# KiCad board serial-usbc-dip-7seg-clk.kicad_pcb (continued)
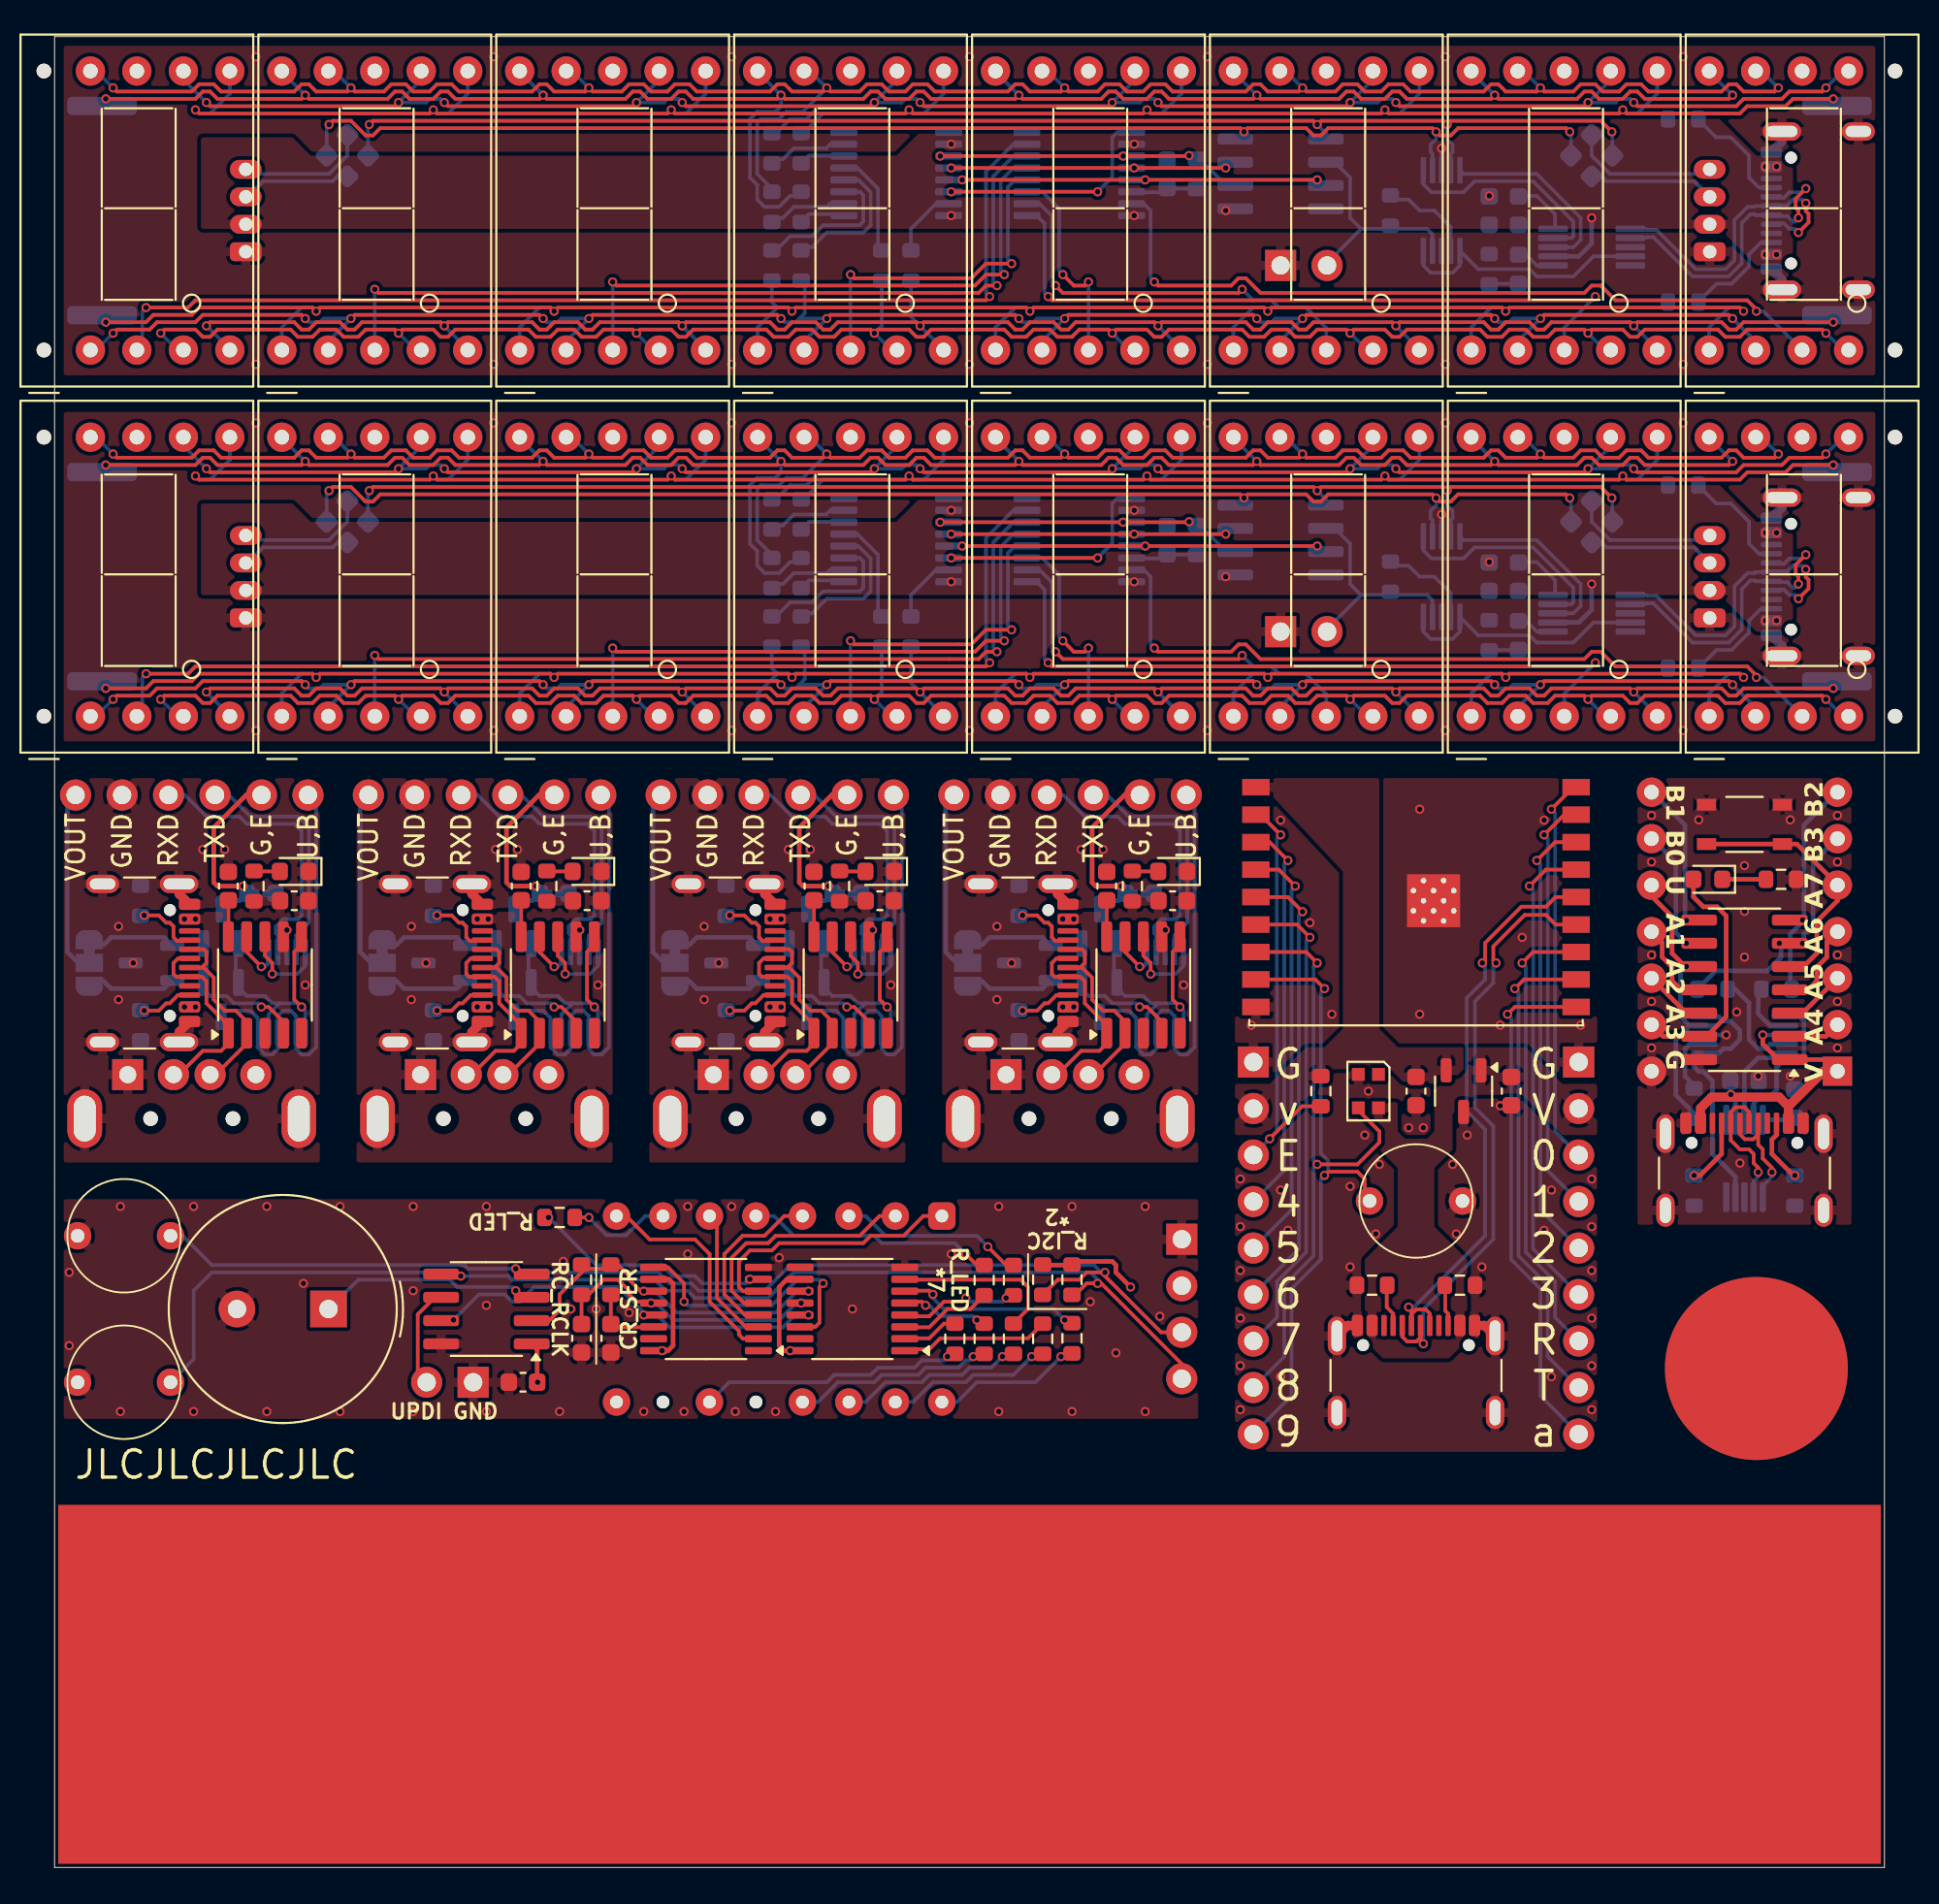
[diagram p0: board, top side]
## Routing (per net, layer and track width the routed paths; a pad name or vN(x,y) marks a point on that pad's centre or on a via; arc(x,y) is an arc through that point) (continued)
DTR#: length 33.4
  Top w0.2: U1#4.4 28.5,46.2 27.7,47 v1(27.3,47) ; v1(11.3,47) 11.7,47 12.5,46.2 U1#3.4 ; U1#7.4 60.5,46.2 59.7,47 v1(59.3,47) ; U1#6.4 44.5,46.2 43.7,47 v1(43.3,47)
  Bottom w0.2: v1(11.3,47) 11.1,47.2 9.8,47.2 9.4,47.6 8.5,47.6 8.15,47.95 Q2#3.1 8.31,48.5 8.31,50.3 Q1#3.2 ; Q1#4.2 40.31,50.3 40.31,48.5 Q2#4.1 40.15,47.95 40.5,47.6 41.4,47.6 41.8,47.2 43.1,47.2 v1(43.3,47) ; v1(27.3,47) 27.1,47.2 25.8,47.2 25.4,47.6 24.5,47.6 24.15,47.95 Q2.1 24.31,48.5 24.31,50.3 Q1.2 ; Q1#2.2 56.31,50.3 56.31,48.5 Q2#2.1 56.15,47.95 56.5,47.6 57.4,47.6 57.8,47.2 59.1,47.2 v1(59.3,47)
E: length 236.1
  Top w0.2: v1(2.8,64.4) 5,64.4 5.4,64.8 7.5,64.8 7.9,65.2 14.1,65.2 v1(14.3,65) 14.5,65.2 27.1,65.2 v1(27.3,65) 27.5,65.2 40.1,65.2 v1(40.3,65) 40.5,65.2 53.1,65.2 v1(53.3,65) 53.5,65.2 66.1,65.2 v1(66.3,65) 66.5,65.2 79.1,65.2 v1(79.3,65) 79.5,65.2 92.1,65.2 v1(92.3,65) ; v1(2.8,84.4) 5,84.4 5.4,84.8 7.5,84.8 7.9,85.2 14.1,85.2 v1(14.3,85) 14.5,85.2 27.1,85.2 v1(27.3,85) 27.5,85.2 40.1,85.2 v1(40.3,85) 40.5,85.2 53.1,85.2 v1(53.3,85) 53.5,85.2 66.1,85.2 v1(66.3,85) 66.5,85.2 79.1,85.2 v1(79.3,85) 79.5,85.2 92.1,85.2 v1(92.3,85)
  Bottom w0.2: U8#2.1 64.42,64.12 65.5,65.2 66.1,65.2 v1(66.3,65) ; 39.5,85.2 38.42,84.12 U6#2.1 ; 39.5,85.2 40.1,85.2 v1(40.3,85) ; 39.5,85.2 39.2,85.5 R5#4.2 ; U8.1 64.42,84.12 65.5,85.2 66.1,85.2 v1(66.3,85) ; U10#2.1 90.42,64.12 91.5,65.2 92.1,65.2 v1(92.3,65) ; v1(92.3,85) 92.1,85.2 91.5,85.2 90.42,84.12 U10.1 ; U5#2.1 25.42,64.12 26.5,65.2 27.1,65.2 v1(27.3,65) ; v1(14.3,85) 14.1,85.2 13.5,85.2 12.42,84.12 U4#2.1 ; 39.5,65.2 39.2,65.5 R5#3.2 ; 39.5,65.2 38.42,64.12 U6.1 ; 39.5,65.2 40.1,65.2 v1(40.3,65) ; U7.1 51.42,64.12 52.5,65.2 53.1,65.2 v1(53.3,65) ; v1(79.3,85) 79.1,85.2 78.5,85.2 77.42,84.12 U9.1 ; v1(14.3,65) 14.1,65.2 13.5,65.2 12.42,64.12 U4#3.1 ; v1(79.3,65) 79.1,65.2 78.5,65.2 77.42,64.12 U9#2.1 ; v1(53.3,85) 53.1,85.2 52.5,85.2 51.42,84.12 U7#2.1 ; U5.1 25.42,84.12 26.5,85.2 27.1,85.2 v1(27.3,85)
EN: length 23.6
  Top w0.2: v1(67,56.4) 65.9,57.5 U1#2.2 ; 69.4,41.58 68.17,41.58 v1(66.4,39.8)
  Bottom w0.2: v1(67,56.4) 66.8,56.2 66.8,40.2 J2#9.3
F: length 240.9
  Top w0.2: v1(94.2,77.2) 94,77 92.3,77 91.9,77.4 91.5,77.4 91.1,77 87.1,77 86.7,77.4 85.9,77.4 85.5,77 84.6,77 84.2,77.4 83.4,77.4 83,77 81.4,77 v1(81.2,77.2) 81,77 79.3,77 78.9,77.4 78.5,77.4 78.1,77 74.1,77 73.7,77.4 72.9,77.4 72.5,77 71.6,77 71.2,77.4 70.4,77.4 70,77 68.4,77 v1(68.2,77.2) 68,77 66.3,77 65.9,77.4 65.5,77.4 65.1,77 61.1,77 60.7,77.4 59.9,77.4 59.5,77 58.6,77 58.2,77.4 57.4,77.4 57,77 55.4,77 v1(55.2,77.2) 55,77 53.3,77 52.9,77.4 52.5,77.4 52.1,77 48.1,77 47.7,77.4 46.9,77.4 46.5,77 45.6,77 45.2,77.4 44.4,77.4 44,77 42.4,77 v1(42.2,77.2) 42,77 40.3,77 39.9,77.4 39.5,77.4 39.1,77 35.1,77 34.7,77.4 33.9,77.4 33.5,77 32.6,77 32.2,77.4 31.4,77.4 31,77 29.4,77 v1(29.2,77.2) 29,77 27.3,77 26.9,77.4 26.5,77.4 26.1,77 22.1,77 21.7,77.4 20.9,77.4 20.5,77 19.6,77 19.2,77.4 18.4,77.4 18,77 16.4,77 v1(16.2,77.2) 16,77 14.3,77 13.9,77.4 13.5,77.4 13.1,77 9.1,77 8.7,77.4 7.9,77.4 7.5,77 3.4,77 v1(3.2,77.2) ; v1(3.2,97.2) 3.4,97 7.5,97 7.9,97.4 8.7,97.4 9.1,97 13.1,97 13.5,97.4 13.9,97.4 14.3,97 16,97 v1(16.2,97.2) 16.4,97 18,97 18.4,97.4 19.2,97.4 19.6,97 20.5,97 20.9,97.4 21.7,97.4 22.1,97 26.1,97 26.5,97.4 26.9,97.4 27.3,97 29,97 v1(29.2,97.2) 29.4,97 31,97 31.4,97.4 32.2,97.4 32.6,97 33.5,97 33.9,97.4 34.7,97.4 35.1,97 39.1,97 39.5,97.4 39.9,97.4 40.3,97 42,97 v1(42.2,97.2) 42.4,97 44,97 44.4,97.4 45.2,97.4 45.6,97 46.5,97 46.9,97.4 47.7,97.4 48.1,97 52.1,97 52.5,97.4 52.9,97.4 53.3,97 55,97 v1(55.2,97.2) 55.4,97 57,97 57.4,97.4 58.2,97.4 58.6,97 59.5,97 59.9,97.4 60.7,97.4 61.1,97 65.1,97 65.5,97.4 65.9,97.4 66.3,97 68,97 v1(68.2,97.2) 68.4,97 70,97 70.4,97.4 71.2,97.4 71.6,97 72.5,97 72.9,97.4 73.7,97.4 74.1,97 78.1,97 78.5,97.4 78.9,97.4 79.3,97 81,97 v1(81.2,97.2) 81.4,97 83,97 83.4,97.4 84.2,97.4 84.6,97 85.5,97 85.9,97.4 86.7,97.4 87.1,97 91.1,97 91.5,97.4 91.9,97.4 92.3,97 94,97 v1(94.2,97.2)
  Bottom w0.2: U6.9 41.28,78.12 v1(42.2,77.2) 40.9,75.9 40,75.9 39.6,75.5 38.6,75.5 38.4,75.3 38.4,72.5 39.2,71.7 39.2,71.53 ; U8#2.9 67.28,78.12 v1(68.2,77.2) ; v1(94.2,77.2) 93.28,78.12 U10#2.9 ; U10.9 93.28,98.12 v1(94.2,97.2) ; v1(68.2,97.2) 67.28,98.12 U8.9 ; U4#2.9 15.28,98.12 v1(16.2,97.2) ; v1(81.2,97.2) 80.28,98.12 U9.9 ; U7.9 54.28,78.12 v1(55.2,77.2) ; R6#2.2 39.2,91.7 38.4,92.5 38.4,95.3 38.6,95.5 39.6,95.5 40,95.9 40.9,95.9 v1(42.2,97.2) 41.28,98.12 U6#2.9 ; U7#2.9 54.28,98.12 v1(55.2,97.2) ; v1(81.2,77.2) 80.28,78.12 U9#2.9 ; U3.9 2.28,98.12 v1(3.2,97.2) ; v1(3.2,77.2) 2.28,78.12 U3#3.9 ; v1(29.2,97.2) 28.28,98.12 U5.9 ; v1(16.2,77.2) 15.28,78.12 U4#3.9 ; U5#2.9 28.28,78.12 v1(29.2,77.2)
G: length 234.6
  Top w0.2: v1(2.8,96.6) 7.7,96.6 8.1,97 8.5,97 8.9,96.6 13.5,96.6 v1(13.7,96.8) 13.9,96.6 18.2,96.6 18.6,97 19,97 19.4,96.6 20.7,96.6 21.1,97 21.5,97 21.9,96.6 26.5,96.6 v1(26.7,96.8) 26.9,96.6 31.2,96.6 31.6,97 32,97 32.4,96.6 33.7,96.6 34.1,97 34.5,97 34.9,96.6 39.5,96.6 v1(39.7,96.8) 39.9,96.6 44.2,96.6 44.6,97 45,97 45.4,96.6 46.7,96.6 47.1,97 47.5,97 47.9,96.6 52.5,96.6 v1(52.7,96.8) 52.9,96.6 57.2,96.6 57.6,97 58,97 58.4,96.6 59.7,96.6 60.1,97 60.5,97 60.9,96.6 65.5,96.6 v1(65.7,96.8) 65.9,96.6 70.2,96.6 70.6,97 71,97 71.4,96.6 72.7,96.6 73.1,97 73.5,97 73.9,96.6 78.5,96.6 v1(78.7,96.8) 78.9,96.6 83.2,96.6 83.6,97 84,97 84.4,96.6 85.7,96.6 86.1,97 86.5,97 86.9,96.6 91.5,96.6 v1(91.7,96.8) ; v1(2.8,76.6) 7.7,76.6 8.1,77 8.5,77 8.9,76.6 13.5,76.6 v1(13.7,76.8) 13.9,76.6 18.2,76.6 18.6,77 19,77 19.4,76.6 20.7,76.6 21.1,77 21.5,77 21.9,76.6 26.5,76.6 v1(26.7,76.8) 26.9,76.6 31.2,76.6 31.6,77 32,77 32.4,76.6 33.7,76.6 34.1,77 34.5,77 34.9,76.6 39.5,76.6 v1(39.7,76.8) 39.9,76.6 44.2,76.6 44.6,77 45,77 45.4,76.6 46.7,76.6 47.1,77 47.5,77 47.9,76.6 52.5,76.6 v1(52.7,76.8) 52.9,76.6 57.2,76.6 57.6,77 58,77 58.4,76.6 59.7,76.6 60.1,77 60.5,77 60.9,76.6 65.5,76.6 v1(65.7,76.8) 65.9,76.6 70.2,76.6 70.6,77 71,77 71.4,76.6 72.7,76.6 73.1,77 73.5,77 73.9,76.6 78.5,76.6 v1(78.7,76.8) 78.9,76.6 83.2,76.6 83.6,77 84,77 84.4,76.6 85.7,76.6 86.1,77 86.5,77 86.9,76.6 91.5,76.6 v1(91.7,76.8)
  Bottom w0.2: v1(52.7,76.8) 51.42,78.08 U7.10 ; U8.10 64.42,98.08 v1(65.7,96.8) ; U10.10 90.42,98.08 v1(91.7,96.8) ; U5#2.10 25.42,78.08 v1(26.7,76.8) ; v1(78.7,96.8) 77.42,98.08 U9.10 ; 40.8,71.53 40.58,71.3 40.2,71.3 39.6,70.7 38.8,70.7 38.4,71.1 38.4,71.9 38,72.3 38,75.5 38.4,75.9 39.4,75.9 39.7,76.2 v1(39.7,76.8) 38.42,78.08 U6.10 ; v1(91.7,76.8) 90.42,78.08 U10#2.10 ; U7#2.10 51.42,98.08 v1(52.7,96.8) ; v1(13.7,76.8) 12.42,78.08 U4#3.10 ; v1(26.7,96.8) 25.42,98.08 U5.10 ; U9#2.10 77.42,78.08 v1(78.7,76.8) ; U6#2.10 38.42,98.08 v1(39.7,96.8) 39.7,96.2 39.4,95.9 38.4,95.9 38,95.5 38,92.3 38.4,91.9 38.4,91.1 38.8,90.7 39.6,90.7 40.2,91.3 40.58,91.3 R7#3.2 ; v1(13.7,96.8) 12.42,98.08 U4#2.10 ; v1(65.7,76.8) 64.42,78.08 U8#2.10
H: length 219.8
  Top w0.2: v1(97.2,84.4) 92.3,84.4 91.9,84 91.5,84 91.1,84.4 86.5,84.4 v1(86.3,84.2) 86.1,84.4 81.8,84.4 81.4,84 81,84 80.6,84.4 79.3,84.4 78.9,84 78.5,84 78.1,84.4 73.5,84.4 v1(73.3,84.2) 73.1,84.4 68.8,84.4 68.4,84 68,84 67.6,84.4 66.3,84.4 65.9,84 65.5,84 65.1,84.4 60.5,84.4 v1(60.3,84.2) 60.1,84.4 55.8,84.4 55.4,84 55,84 54.6,84.4 53.3,84.4 52.9,84 52.5,84 52.1,84.4 47.5,84.4 v1(47.3,84.2) 47.1,84.4 42.8,84.4 42.4,84 42,84 41.6,84.4 40.3,84.4 39.9,84 39.5,84 39.1,84.4 34.5,84.4 v1(34.3,84.2) 34.1,84.4 29.8,84.4 29.4,84 29,84 28.6,84.4 27.3,84.4 26.9,84 26.5,84 26.1,84.4 21.5,84.4 v1(21.3,84.2) 21.1,84.4 16.8,84.4 16.4,84 16,84 15.6,84.4 14.3,84.4 13.9,84 13.5,84 13.1,84.4 8.5,84.4 v1(8.3,84.2) ; v1(8.3,64.2) 8.5,64.4 13.1,64.4 13.5,64 13.9,64 14.3,64.4 15.6,64.4 16,64 16.4,64 16.8,64.4 21.1,64.4 v1(21.3,64.2) 21.5,64.4 26.1,64.4 26.5,64 26.9,64 27.3,64.4 28.6,64.4 29,64 29.4,64 29.8,64.4 34.1,64.4 v1(34.3,64.2) 34.5,64.4 39.1,64.4 39.5,64 39.9,64 40.3,64.4 41.6,64.4 42,64 42.4,64 42.8,64.4 47.1,64.4 v1(47.3,64.2) 47.5,64.4 52.1,64.4 52.5,64 52.9,64 53.3,64.4 54.6,64.4 55,64 55.4,64 55.8,64.4 60.1,64.4 v1(60.3,64.2) 60.5,64.4 65.1,64.4 65.5,64 65.9,64 66.3,64.4 67.6,64.4 68,64 68.4,64 68.8,64.4 73.1,64.4 v1(73.3,64.2) 73.5,64.4 78.1,64.4 78.5,64 78.9,64 79.3,64.4 80.6,64.4 81,64 81.4,64 81.8,64.4 86.1,64.4 v1(86.3,64.2) 86.5,64.4 91.1,64.4 91.5,64 91.9,64 92.3,64.4 v1(97.2,64.4)
  Bottom w0.2: v1(8.3,64.2) 9.58,62.92 U3#3.5 ; U9#2.5 87.58,62.92 v1(86.3,64.2) ; v1(60.3,84.2) 61.58,82.92 U7#2.5 ; U3.5 9.58,82.92 v1(8.3,84.2) ; U6.5 48.58,62.92 v1(47.3,64.2) 46.8,64.7 R8#2.2 ; v1(21.3,64.2) 22.58,62.92 U4#3.5 ; v1(60.3,64.2) 61.58,62.92 U7.5 ; v1(34.3,84.2) 35.58,82.92 U5.5 ; U9.5 87.58,82.92 v1(86.3,84.2) ; R8#3.2 46.8,84.7 v1(47.3,84.2) 48.58,82.92 U6#2.5 ; U4#2.5 22.58,82.92 v1(21.3,84.2) ; U8.5 74.58,82.92 v1(73.3,84.2) ; U5#2.5 35.58,62.92 v1(34.3,64.2) ; U8#2.5 74.58,62.92 v1(73.3,64.2)
IO0: length 21.4
  Top w0.2: U1#2.18 83,59 v1(81.8,57.8)
  Bottom w0.2: v1(81.8,57.8) 82,57.6 82,40.2 J3#6.3
IO1: length 23
  Top w0.2: v1(81.4,56.4) 82.5,57.5 U1#2.17
  Bottom w0.2: v1(81.4,56.4) 81.6,56.2 81.6,38.06 J3#6.4
IO2: length 24.7
  Top w0.2: U1#2.16 82,56 v1(81,55)
  Bottom w0.2: J3#6.5 81.2,35.92 81.2,54.8 v1(81,55)
IO3: length 26.3
  Top w0.2: v1(80.6,53.6) 81.5,54.5 U1#2.15
  Bottom w0.2: J3#6.6 80.8,33.78 80.8,53.4 v1(80.6,53.6)
IO4: length 21.6
  Top w0.2: v1(67.4,55) 66.4,56 U1#2.3
  Bottom w0.2: v1(67.4,55) 67.2,54.8 67.2,38.06 J2#9.4
IO5: length 23.2
  Top w0.2: U1#2.4 66.9,54.5 v1(67.8,53.6)
  Bottom w0.2: J2#9.5 67.6,35.92 67.6,53.4 v1(67.8,53.6)
IO6: length 24.9
  Top w0.2: v1(68.2,52.2) 67.4,53 U1#2.5
  Bottom w0.2: v1(68.2,52.2) 68,52 68,33.78 J2#9.6
IO7: length 26.6
  Top w0.2: v1(68.6,50.8) 67.9,51.5 U1#2.6
  Bottom w0.2: v1(68.6,50.8) 68.4,50.6 68.4,33.6 66.8,32 66.8,30.04 J2#9.7
IO8: length 34.7
  Top w0.2: D1.3 71.25,41.35 72.4,40.2 72.4,39.6 71.2,38.4 v1(69,38.4) ; v1(69,49.4) 68.4,50 U1#2.7
  Bottom w0.2: v1(69,49.4) 68.8,49.2 68.8,38.6 v1(69,38.4) 68.8,38.2 68.8,33.4 67.2,31.8 67.2,27.9 J2#9.8
IO9: length 34
  Top w0.2: v1(69.4,37.8) 69.6,38 71.2,38 71.6,37.6 71.6,36.8 71.86,36.54 SW1.1 ; U1#2.8 68.9,48.5 v1(69.4,48)
  Bottom w0.2: J2#9.9 67.6,25.76 67.6,31.6 69.2,33.2 69.2,37.6 69.6,38 69.6,38.6 69.2,39 69.2,47.8 v1(69.4,48)
IO10: length 28.5
  Top w0.2: v1(79.4,46.6) 79.8,47 U1#2.10
  Bottom w0.2: v1(79.4,46.6) 79.6,46.4 79.6,33.2 81.2,31.6 81.2,25.76 J3#6.9
OE#: length 62.2
  Top w0.2: v1(32.2,30.17) U3#2.13 ; v1(49.6,92.17) v1(59.6,92.17) v1(69,92.17) ; v1(49.6,72.17) v1(59.6,72.17) v1(69,72.17) ; v1(21.8,29.9) 21.77,29.86 U4.7 ; v1(41.2,30.17) U2#2.13
  Bottom w0.2: v1(21.8,29.9) 23.2,31.3 24.6,31.3 25,30.9 25.4,30.9 26.2,31.7 30.8,31.7 32.2,30.3 v1(32.2,30.17) 32.92,30.17 33.6,29.5 39.8,29.5 40.48,30.17 v1(41.2,30.17)
PA1: length 68.5
  Top w0.2: v1(25.2,32.7) 25.49,32.41 26.1,32.41 ; 54,31.28 54.83,32.1 56,32.1 56.4,32.5 v1(57.4,32.5) 57.4,32.3 60.47,29.23 J2#6.3
  Top w0.25: U1.11 88.89,47.94 88.39,48.42 88.39,49.17 87.85,49.72 87.85,50.53 J2#2.11
  Bottom w0.2: SW1#3.1 7,34.5 8.6,32.9 22.4,32.9 22.6,32.7 v1(25.2,32.7) 25.4,32.5 33,32.5 33.6,31.9 34.8,31.9 35.2,31.5 38.8,31.5 40.2,32.9 56.8,32.9 57.2,32.5 v1(57.4,32.5)
PA2: length 69.1
  Top w0.2: J2#6.4 61.6,27.5 57.2,31.9 v1(57,31.9) 56.4,31.9 55.8,31.3 55.62,31.3 55.6,31.28
  Top w0.25: J2#2.12 89.17,46.67 U1.12
  Bottom w0.2: SW2.1 7.6,27.76 7.6,31.5 8.6,32.5 22,32.5 v1(22.2,32.3) 24.8,32.3 25,32.1 32.8,32.1 33.4,31.5 34.6,31.5 35,31.1 39,31.1 40.4,32.5 56.6,32.5 57,32.1 v1(57,31.9)
PA3: length 13.5
  Top w0.25: J2#2.13 87.91,45.39 U1.13 90.28,45.39 91.35,46.47 91.35,51.97 90.85,52.47 90.1,52.47 89.56,53.01 D1#4.2
PA4: length 2.9
  Top w0.25: U1.2 96.8,45.39 J2#2.2
PA5: length 3.4
  Top w0.25: 97.43,48.6 J2#2.3 95.53,46.67 U1.3
PA6: length 4.9
  Top w0.25: U1.4 95.81,47.94 96.31,48.42 96.31,49.17 96.85,49.72 96.85,50.56 97.43,51.14
PA7: length 14.1
  Top w0.25: U1.5 95.58,49.2 96.31,49.93 96.31,51.67 97.43,52.8 J2#2.5 97.43,53.68 95.22,55.89 SW1#2.2 90.28,55.89
PB0: length 6.5
  Bottom w0.25: v1(89.17,50.47) 88.6,51.05 88.6,54.89 87.27,56.22
PB1: length 7.8
  Bottom w0.25: v1(89.17,51.72) 89.1,51.8 89.1,56.93 87.27,58.76
PB2: length 11.9
  Bottom w0.25: 97.43,58.76 95.6,56.93 95.6,51.82 v1(95.53,51.75) 95.53,51.64 94.85,50.97 94.85,48.05 R4#2.2
PB3: length 12.6
  Bottom w0.25: v1(94.25,50.47) 94.35,50.38 94.35,49.72 93.6,48.97 90.78,48.97 89.78,47.97 ; 97.43,56.22 96.1,54.89 96.1,51.47 95.6,50.97 95.6,50.55 v1(95.53,50.47)
RCLK: length 45.7
  Top w0.2: v1(32.6,30.83) U3#2.12 32.66,30.9 31.8,30.9 31.4,31.3 31.4,31.5 30.8,32.1 30,32.1 29.17,31.28 28.8,31.28 C1.1 ; v1(64,72.83) v1(59,72.83) v1(49,72.83) ; v1(64,92.83) v1(59,92.83) v1(49,92.83) ; v1(40.8,30.83) U2#2.12
  Bottom w0.2: v1(32.6,30.83) 32.88,30.83 33.8,29.9 39.6,29.9 40.52,30.83 v1(40.8,30.83)
RTS#: length 98.8
  Top w0.2: v1(29.5,47) 29.1,47.4 29.1,50 29.5,50.4 U1#4.6 ; v1(13.5,47) 13.1,47.4 13.1,50 13.5,50.4 U1#3.6 ; U1#6.6 45.5,50.4 45.1,50 45.1,47.4 v1(45.5,47) ; U1#7.6 61.5,50.4 61.1,50 61.1,47.4 v1(61.5,47)
  Bottom w0.2: Q1#2.1 57.9,50.31 57.9,48.49 Q2#2.2 58.05,48.05 58.5,47.6 59.5,47.6 59.9,47.2 60.3,47.2 ; Q1#3.1 9.9,50.31 9.9,48.49 Q2#3.2 10.05,48.05 10.5,47.6 11.5,47.6 11.9,47.2 12.3,47.2 ; U2#7.5 27.7,46.6 28.3,47.2 ; U2#6.1 13.7,46.8 v1(13.5,47) 13.5,47.01 13.31,47.2 12.3,47.2 ; Q1#4.1 41.9,50.31 41.9,48.49 Q2#4.2 42.05,48.05 42.5,47.6 43.5,47.6 43.9,47.2 44.3,47.2 ; 44.3,47.2 45.31,47.2 45.5,47.01 v1(45.5,47) 45.7,46.8 U2#8.1 ; 44.3,47.2 43.7,46.6 U2#8.5 ; 12.3,47.2 11.7,46.6 U2#6.5 ; 60.3,47.2 61.31,47.2 61.5,47.01 v1(61.5,47) 61.7,46.8 U2#3.1 ; 60.3,47.2 59.7,46.6 U2#3.5 ; 28.3,47.2 27.9,47.2 27.5,47.6 26.5,47.6 26.05,48.05 Q2.2 25.9,48.49 25.9,50.31 Q1.1 ; 28.3,47.2 29.31,47.2 29.5,47.01 v1(29.5,47) 29.7,46.8 U2#7.1 ; U12#2.4 84.1,88 83,86.9 81,86.9 80.6,87.3 77.8,87.3 U13.1 76.8,87.5 76.4,87.1 75.2,87.1 74.8,87.5 U13.5 ; U13#2.5 74.8,67.5 75.2,67.1 76.4,67.1 76.8,67.5 U13#2.1 77.8,67.3 80.6,67.3 81,66.9 83,66.9 84.1,68 U12.4
  Bottom w0.25: U3#6.5 90.94,46.47 91.19,46.22 91.6,46.22 92.1,45.72 92.1,45.22 91.6,44.72 91.19,44.72 90.94,44.47 U3#6.1 89.6,44.47 89.6,43.72 89.85,43.47 90.1,43.47 90.6,42.97 90.6,38.97 91.85,37.72 U2#4.4
RXD: length 98.5
  Top w0.2: U1#2.11 80.3,48.5 v1(79.8,48)
  Bottom w0.2: J3.4 39.12,58.58 40.3,57.4 42.1,57.4 42.5,57 45.1,57 45.5,56.6 45.5,52 45.3,51.8 44.5,51.8 44.1,51.4 44.1,51.02 44.2,50.92 U2#8.7 ; J3#6.8 81.6,27.9 81.6,31.8 80,33.4 80,47.8 v1(79.8,48) ; U2#3.7 60.2,50.92 60.1,51.02 60.1,51.4 60.5,51.8 61.3,51.8 61.5,52 61.5,56.6 61.1,57 58.5,57 58.1,57.4 56.3,57.4 55.12,58.58 J3#3.4 ; J3#4.4 23.12,58.58 24.3,57.4 26.1,57.4 26.5,57 29.1,57 29.5,56.6 29.5,52 29.3,51.8 28.5,51.8 28.1,51.4 28.1,51.02 28.2,50.92 U2#7.7 ; J3#2.4 7.12,58.58 8.3,57.4 10.1,57.4 10.5,57 13.1,57 13.5,56.6 13.5,52 13.3,51.8 12.5,51.8 12.1,51.4 12.1,51.02 12.2,50.92 U2#6.7
  Bottom w0.25: U2#4.9 92.85,41.73 93.09,41.97 93.6,41.97 94.1,42.47 94.1,43.72 94.35,43.97 95.35,43.97 95.6,44.22 95.6,46.22 95.35,46.47 U3#6.6
RXD_DISP|SCL: length 150.6
  Top w0.2: v1(85.1,94.8) 84.5,95.4 76.3,95.4 v1(76.1,95.2) 75.9,95.4 69.2,95.4 v1(69,95.2) 68.8,95.4 17.4,95.4 v1(17.2,95.2) ; v1(85.1,74.8) 84.5,75.4 76.3,75.4 v1(76.1,75.2) 75.9,75.4 69.2,75.4 v1(69,75.2) 68.8,75.4 17.4,75.4 v1(17.2,75.2)
  Bottom w0.2: v1(17.2,95.2) 17.13,95.13 JP2.4 ; v1(85.1,74.8) 85.11,74.8 85.13,74.77 JP1.4 ; U13.9 76.3,93.6 76.4,93.7 76.4,94.1 76.1,94.4 v1(76.1,95.2) ; U11#2.5 69.5,94.43 69.5,94.7 v1(69,95.2) ; U13#2.9 76.3,73.6 76.4,73.7 76.4,74.1 76.1,74.4 v1(76.1,75.2) ; U11.5 69.5,74.43 69.5,74.7 v1(69,75.2) ; JP1#2.4 85.13,94.77 85.11,94.8 v1(85.1,94.8) ; v1(17.2,75.2) 17.13,75.13 JP2#2.4
RXD_USB: length 24.5
  Bottom w0.2: U13#2.6 74.8,71.94 75.24,71.5 77,71.5 77.6,72.1 80.8,72.1 83,69.9 83,69.1 82.9,69 U12.9 ; U12#2.9 82.9,89 83,89.1 83,89.9 80.8,92.1 77.6,92.1 77,91.5 75.24,91.5 74.8,91.94 U13.6
SEG1: length 10.1
  Top w0.2: v1(51.8,27.9) 52.1,27.9 52.25,28.05 R1#3.2
  Bottom w0.2: U1#5.14 44.32,25.42 45.4,26.5 47.4,26.5 47.8,26.9 49.6,26.9 50,27.3 51.2,27.3 v1(51.8,27.9)
SEG2: length 8.2
  Top w0.2: R2#2.2 55.17,28.08 v1(55,27.9)
  Bottom w0.2: U1#5.16 49.32,25.42 50.4,26.5 53.6,26.5 v1(55,27.9)
SEG3: length 11
  Top w0.2: v1(50.2,27.9) 50.4,27.9 50.55,28.05 R3#5.2
  Bottom w0.2: v1(50.2,27.9) 50,27.7 49.8,27.7 49.4,27.3 47.6,27.3 47.2,26.9 45.2,26.9 44.8,26.5 42.8,26.5 41.72,25.42 U1#5.13
SEG4: length 10.1
  Top w0.2: v1(51,33.9) 52,32.9 R4.2
  Bottom w0.2: U1#5.3 44.32,35.58 45.4,34.5 50.4,34.5 v1(51,33.9)
SEG5: length 13.6
  Top w0.2: R5.2 50.4,32.9 v1(49.8,33.5)
  Bottom w0.2: v1(49.8,33.5) 49.2,34.1 48.8,34.1 45.2,34.1 44.8,34.5 40.4,34.5 39.32,35.58 U1#5.5
SEG6: length 14.5
  Top w0.2: v1(48.8,27.9) 48.9,27.9 49.05,28.05 R6.2
  Bottom w0.2: v1(48.8,27.9) 48.6,27.7 47.4,27.7 47,27.3 45,27.3 44.6,26.9 42.6,26.9 42.2,26.5 36.87,26.5 U1#5.11
SEG7: length 9.1
  Top w0.2: v1(53.4,27.9) 53.6,27.9 53.75,28.05 R7.2
  Bottom w0.2: v1(53.4,27.9) 52.4,26.9 50.2,26.9 49.8,26.5 48,26.5 46.92,25.42 U1#5.15
SEG8: length 5.7
  Top w0.2: 28.42,35.5 v1(29.2,35.5)
  Bottom w0.2: U1#5.7 32.28,35.58 31.23,34.53 30.17,34.53 v1(29.2,35.5)
SEGC1: length 14.7
  Top w0.2: U3#2.6 37.62,31.47 37.4,31.7 37.4,33.1 38,33.7 39.2,33.7 39.6,34.1 44.2,34.1 44.6,34.5 46.4,34.5 47.48,35.58 U1#5.1
SEGC2: length 13.4
  Top w0.2: U1#5.2 45.08,35.58 44,34.5 39.4,34.5 39,34.1 37.8,34.1 37,33.3 37,31.5 37.67,30.83 U3#2.5
SEGC3: length 7.6
  Top w0.2: U1#5.6 36.2,35.17 36.2,31.1 37.77,29.53 U3#2.3
SEGC4: length 12.2
  Top w0.2: U3#2.2 37.62,28.88 37.4,29.1 37.4,29.3 35.8,30.9 35.8,33.5 35,34.3 32.52,34.3 31.24,35.58 U1#5.8
SEGC:: length 9.7
  Top w0.2: U1#5.4 39.88,35.58 38.8,34.5 37.6,34.5 36.6,33.5 36.6,31.3 37.73,30.17 U3#2.4
SER: length 11.3
  Top w0.2: U3#2.14 32.71,29.5 30.58,29.5 C2.1 30.4,31.28
  Bottom w0.2: U1#8.14 58.89,71.5 60.58,71.5 C1#9.1 60.83,71.7 62.38,71.7 R9#2.1 ; U1#9.14 58.89,91.5 60.58,91.5 C1#8.1 60.83,91.7 62.38,91.7 R9#3.1
SPK: length 11.1
  Bottom w0.2: v1(25.2,31.5) 25,31.7 22,31.7 21.6,32.1 16.6,32.1 15,30.5 BZ1.1
SRCLK: length 53.3
  Top w0.2: 30.51,32.92 R10.1 ; R10.1 30.17,32.7 29.02,32.7 R9.1 28.8,32.5 27.6,31.3 27.6,30.44 27.03,29.86 U4.2 ; R10.1 30.77,32.92 31.4,32.3 31.4,32.1 32.02,31.47 U3#2.11 v1(32.2,31.47) ; v1(48.4,93.47) v1(58.4,93.47) 61.97,93.47 v1(62,93.5) ; v1(48.4,73.47) v1(58.4,73.47) 61.97,73.47 v1(62,73.5) ; v1(41.2,31.47) U2#2.11
  Bottom w0.2: v1(41.2,31.47) 40.58,31.47 39.4,30.3 34,30.3 32.83,31.47 v1(32.2,31.47) ; U11.2 64.03,71.87 62.58,73.33 R9#2.2 ; U11#2.2 64.03,91.86 62.58,93.33 R9#3.2
TXD: length 82.2
  Top w0.2: U1#2.12 80.8,50 v1(80.2,49.4)
  Bottom w0.2: U2#7.9 29.2,50.9 29.9,51.6 29.9,56.8 29.3,57.4 26.7,57.4 25.52,58.58 J3#4.3 ; J3#2.3 9.52,58.58 10.7,57.4 13.3,57.4 13.9,56.8 13.9,51.6 13.2,50.9 U2#6.9 ; J3#3.3 57.53,58.58 58.7,57.4 61.3,57.4 61.9,56.8 61.9,51.6 61.2,50.9 U2#3.9 ; U2#8.9 45.2,50.9 45.9,51.6 45.9,56.8 45.3,57.4 42.7,57.4 41.52,58.58 J3.3 ; J3#6.7 82,30.04 82,32 80.4,33.6 80.4,49.2 v1(80.2,49.4)
  Bottom w0.25: U2#4.8 92.35,43.47 93.1,44.22 93.85,44.22 94.1,44.47 U3#6.10
TXD_DISP|SDA: length 150.6
  Top w0.2: v1(82.8,94.8) 82.6,95 76.7,95 76.3,94.6 75.7,94.6 v1(75.5,94.8) 75.3,95 69.6,95 69.2,94.6 68.8,94.6 68.4,95 65.2,95 v1(65,94.8) 64.8,95 17.8,95 17.4,94.6 17,94.6 16.2,95.4 15.2,95.4 v1(15,95.2) ; v1(15,75.2) 15.2,75.4 16.2,75.4 17,74.6 17.4,74.6 17.8,75 64.8,75 v1(65,74.8) 65.2,75 68.4,75 68.8,74.6 69.2,74.6 69.6,75 75.3,75 v1(75.5,74.8) 75.7,74.6 76.3,74.6 76.7,75 82.6,75 v1(82.8,74.8)
  Bottom w0.2: JP1.2 82.87,74.73 v1(82.8,74.8) ; v1(15,95.2) 14.87,95.07 JP2.2 ; v1(75.5,94.8) 75.5,94.4 75.2,94.1 75.2,93.7 75.3,93.6 U13.7 ; JP1#2.2 82.87,94.73 v1(82.8,94.8) ; U11#2.4 64.61,94.41 v1(65,94.8) ; JP2#2.2 14.87,75.07 v1(15,75.2) ; v1(65,74.8) 64.61,74.41 U11.4 ; v1(75.5,74.8) 75.5,74.4 75.2,74.1 75.2,73.7 75.3,73.6 U13#2.7
TXD_USB: length 21.1
  Bottom w0.2: U12.8 83,68.5 83.4,68.9 83.4,70.1 81,72.5 77,72.5 U13#2.10 ; U13.10 77,92.5 81,92.5 83.4,90.1 83.4,88.9 83,88.5 U12#2.8
UPDI: length 47.6
  Top w0.2: J1#7.2 19.85,26.99 19.85,30.21 20.78,31.14 U4.6
  Top w0.25: J2#2.10 87.27,53.05 88.39,51.92 88.39,49.92 89.11,49.2 U1.10
  Bottom w0.2: 71.4,89.5 72.83,89.5 R13.2 73.17,89.5 75,89.5 75.3,89.2 U13.4 ; 71.4,89.5 70.8,90.1 70.8,92.3 69.97,93.14 U11#2.6 ; 71.4,89.5 69.54,87.64 J1#8.2 ; 71.4,69.5 70.8,70.1 70.8,72.3 69.97,73.13 U11.6 ; 71.4,69.5 69.54,67.64 J1#9.2 ; 71.4,69.5 72.83,69.5 R13#2.2 73.17,69.5 75,69.5 75.3,69.2 U13#2.4
  Bottom w0.25: v1(89.17,49.2) 88.85,48.88 88.85,46.48 89.33,46 90.12,46 U3#6.4 90.12,45.94 89.33,45.94 88.6,45.21 88.6,42.18 89.6,41.18 R2#3.2
UPDI|BOOT: length 102
  Bottom w0.2: Q2#2.3 57.44,46.8 58.7,46.8 59.1,46.4 59.1,44.8 59.5,44.4 59.9,44.4 60.2,44.7 U2#3.4 60.2,46.5 60.5,46.8 60.9,46.8 61.2,46.5 U2#3.2 61.2,44.7 61.5,44.4 61.9,44.4 62.3,44.8 62.3,58.12 J3#3.1 ; J3.1 46.3,58.12 46.3,44.8 45.9,44.4 45.5,44.4 45.2,44.7 U2#8.2 45.2,46.5 44.9,46.8 44.5,46.8 44.2,46.5 U2#8.4 44.2,44.7 43.9,44.4 43.5,44.4 43.1,44.8 43.1,46.4 42.7,46.8 41.44,46.8 Q2#4.3 ; J3#4.1 30.3,58.12 30.3,44.8 29.9,44.4 29.5,44.4 29.2,44.7 U2#7.2 29.2,46.5 28.9,46.8 28.5,46.8 28.2,46.5 U2#7.4 28.2,44.7 27.9,44.4 27.5,44.4 27.1,44.8 27.1,46.4 26.7,46.8 25.44,46.8 Q2.3 ; Q2#3.3 9.44,46.8 10.7,46.8 11.1,46.4 11.1,44.8 11.5,44.4 11.9,44.4 12.2,44.7 U2#6.4 12.2,46.5 12.5,46.8 12.9,46.8 13.2,46.5 U2#6.2 13.2,44.7 13.5,44.4 13.9,44.4 14.3,44.8 14.3,58.12 J3#2.1
VOUT: length 40.8
  Bottom w0.25: J3#3.6 48.7,58.12 48.7,50 49.3,49.4 JP3#3.2 ; J3.6 32.7,58.12 32.7,50 33.3,49.4 JP3#4.2 ; JP3.2 17.3,49.4 16.7,50 16.7,58.12 J3#4.6 ; JP3#2.2 1.3,49.4 0.7,50 0.7,58.12 J3#2.6
VREG: length 20.1
  Bottom w0.25: JP3#4.3 34.2,48.4 34.7,48.4 35.1,48 37.99,48 U3#8.2 ; JP3.3 18.2,48.4 18.7,48.4 19.1,48 21.99,48 U3#4.2 ; JP3#3.3 50.2,48.4 50.7,48.4 51.1,48 53.99,48 U3#5.2 ; JP3#2.3 2.2,48.4 2.7,48.4 3.1,48 5.99,48 U3#7.2
Net-(D1-A): length 5.7
  Top w0.2: D1#2.2 10.93,54.4 R3#3.2 ; R3#6.2 26.92,54.4 D1#3.2 ; D1#6.2 58.92,54.4 R3#2.2 ; R3.2 42.92,54.4 D1#5.2
Net-(D1-K): length 2.4
  Top w0.25: D1#4.1 R1.1
Net-(D3-K): length 3.2
  Bottom w0.2: D3.1 79.99,86.5 78.42,86.5 78.4,86.47 ; D3#2.1 79.99,66.5 78.42,66.5 78.4,66.47
Net-(J1-CC1): length 6
  Top w0.2: R2.1 72.8,31.78 72.8,30.6 73.15,30.25 J1#6.A5
  Top w0.25: v1(89.6,37.8) 89.92,37.8 91.1,38.97 J1#2.A5
Net-(J1-CC2): length 5.8
  Top w0.2: R3#4.1 76,31.78 76,30.4 76.15,30.25 J1#6.B5
  Top w0.25: v1(95.1,37.8) 95.03,37.8 93.85,38.97 93.85,39.76 94.1,40.01 J1#2.B5
Net-(J2-CC1): length 13.7
  Top w0.2: J2#3.A5 55.33,50.6 54.7,50.6 54.5,50.8 54.5,51.4 54.3,51.6 54.1,51.6 53.7,52 v1(52.9,52) ; v1(20.9,52) 21.7,52 22.1,51.6 22.3,51.6 22.5,51.4 22.5,50.8 22.7,50.6 23.33,50.6 J2#5.A5 ; J2#4.A5 39.33,50.6 38.7,50.6 38.5,50.8 38.5,51.4 38.3,51.6 38.1,51.6 37.7,52 v1(36.9,52) ; J2.A5 7.33,50.6 6.7,50.6 6.5,50.8 6.5,51.4 6.3,51.6 6.1,51.6 5.7,52 v1(4.9,52)
Net-(J2-CC2): length 11.3
  Top w0.2: v1(4.9,46.8) 5.7,46.8 6.1,47.2 6.3,47.2 6.75,47.65 J2.B5 ; v1(36.9,46.8) 37.7,46.8 38.1,47.2 38.3,47.2 38.75,47.65 J2#4.B5 ; J2#5.B5 22.75,47.65 22.3,47.2 22.1,47.2 21.7,46.8 v1(20.9,46.8) ; v1(52.9,46.8) 53.7,46.8 54.1,47.2 54.3,47.2 54.75,47.65 J2#3.B5
Net-(J2-Pin_3): length 13.8
  Bottom w0.2: J2#7.3 89.6,72.1 84.8,72.1 84.53,72.37 JP1.1 ; J2#8.3 89.6,92.1 84.8,92.1 84.53,92.37 JP1#2.1
Net-(J2-Pin_4): length 16.2
  Bottom w0.2: JP1#2.3 84,93.5 85,92.5 90.2,92.5 J2#8.4 ; JP1.3 84,73.5 85,72.5 90.2,72.5 J2#7.4
Net-(J3-Pin_3): length 12
  Bottom w0.2: JP2#2.1 15.47,72.37 15.2,72.1 11.4,72.1 10.55,71.25 J3#5.3 ; JP2.1 15.47,92.37 15.2,92.1 11.4,92.1 10.55,91.25 J3#7.3
Net-(J3-Pin_4): length 14.4
  Bottom w0.2: JP2.3 16,93.5 15,92.5 10.7,92.5 J3#7.4 ; JP2#2.3 16,73.5 15,72.5 10.7,72.5 J3#5.4
Net-(J4-CC1): length 12.5
  Bottom w0.2: J4#2.A5 93.15,71.75 92.6,72.3 92.6,73.5 91.6,74.5 90.8,74.5 89.83,75.47 R10#3.1 ; J4.A5 93.15,91.75 92.6,92.3 92.6,93.5 91.6,94.5 90.8,94.5 89.83,95.47 R10#2.1
Net-(J4-CC2): length 11.4
  Bottom w0.2: R11#2.1 90.83,86.5 91.65,86.5 92.6,87.45 92.6,88.1 93.25,88.75 J4.B5 ; R11#3.1 90.83,66.5 91.65,66.5 92.6,67.45 92.6,68.1 93.25,68.75 J4#2.B5
Net-(R2-Pad1): length 3.5
  Bottom w0.25: U3#6.2 89.36,44.97 89.1,44.71 89.1,43.22 89.6,42.72 R2#3.1
Net-(R3-Pad1): length 5.7
  Bottom w0.25: U3#6.9 93.76,44.97 93.51,44.72 93.1,44.72 92.6,45.22 92.6,47.22 91.85,47.97 R3#7.1
Net-(R4-Pad1): length 3.1
  Bottom w0.25: 93.28,47.97 93.1,47.8 93.1,46.63 93.76,45.97 U3#6.7
Net-(R13-Pad1): length 10.6
  Bottom w0.2: U13#2.2 76.3,69.6 75.4,70.5 74.6,70.5 74,71.1 73.22,71.1 R13#2.1 ; U13.2 76.3,89.6 75.4,90.5 74.6,90.5 74,91.1 73.22,91.1 R13.1
Net-(U2-V3): length 1.8
  Bottom w0.25: U2#4.10 94.99,40.83 C3#6.1

## Copper pours and planes (outline as drawn; the poured copper is in the pictures)
+3.3V on Top: 70.4,54.4 66.65,58.4 64.15,58.4 64.15,60.15 72.4,60.15 72.4,45.8 73.4,44.8 77,44.8 77,43.6 76.2,42.8 73.8,42.8 73,43.6 70,43.6 66.4,40 64.15,40 64.15,42.8 66.4,42.8 68.4,44.8 69.4,44.8 70.4,45.8
GND on Top: 85.36,33.97 99.33,33.97 99.33,60.63 85.36,60.63
GND on Top, Bottom: 15.1,37.8 15.1,60.2 -0.1,60.2 -0.1,37.8
GND on Top, Bottom: -0.25,80.25 -0.25,60.75 100.25,60.75 100.25,80.25
GND on Top, Bottom: 63,61 85.8,61 85.8,21.2 63,21.2
GND on Top, Bottom: 47.1,37.8 47.1,60.2 31.9,60.2 31.9,37.8
GND on Top, Bottom: 31.1,37.8 31.1,60.2 15.9,60.2 15.9,37.8
GND on Top, Bottom: 63.5,23.5 63.5,37.5 -0.5,37.5 -0.5,23.5
GND on Top, Bottom: 63.1,37.8 63.1,60.2 47.9,60.2 47.9,37.8
GND on Top, Bottom: -0.25,100.25 -0.25,80.75 100.25,80.75 100.25,100.25
GND on Bottom: 85.36,60.63 99.33,60.63 99.33,33.97 85.36,33.97
VBUS on Top: 76.2,27.8 72.6,27.8 71.6,28.8 71.6,33.2 73.4,35 73.4,38.2 72.4,39.2 72.4,40.6 72,41 72,41.8 73.4,41.8 73.4,40.2 73.8,39.8 75,39.8 75.4,40.2 75.4,42.8 76.2,42.8 77,43.6 77,44.8 80.4,44.8 82.4,42.8 84.65,42.8 84.65,40 82.4,40 80.2,42.2 77.64,42.2 76.4,41.15 76.4,39.2 75.4,38.2 75.4,35 77.2,33.2 77.2,28.8
VCC on Top: 7.9,52.2 9.1,52.2 10.1,53.4 12.9,53.4 12.9,46.2 9.1,46.2 7.9,47.4
VCC on Top: 13,94.5 14,93.5 46,93.5 48,95.5 91,95.5 93,93.5 95,93.5 95,87.5 93,87.5 91,89.5 8,89.5 8,94.5
VCC on Top: 23.9,52.2 25.1,52.2 26.1,53.4 28.9,53.4 28.9,46.2 25.1,46.2 23.9,47.4
VCC on Top: 13,74.5 14,73.5 46,73.5 48,75.5 91,75.5 93,73.5 95,73.5 95,67.5 93,67.5 91,69.5 8,69.5 8,74.5
VCC on Top: 55.9,52.2 57.1,52.2 58.1,53.4 60.9,53.4 60.9,46.2 57.1,46.2 55.9,47.4
VCC on Top: 39.9,52.2 41.1,52.2 42.1,53.4 44.9,53.4 44.9,46.2 41.1,46.2 39.9,47.4
VCC on Bottom: 9.7,42.2 11.1,42.2 11.1,47.4 8.1,47.4 8.1,52.2 6.7,52.2 6.7,45.2
VCC on Bottom: 25.7,42.2 27.1,42.2 27.1,47.4 24.1,47.4 24.1,52.2 22.7,52.2 22.7,45.2
VCC on Bottom: 57.7,42.2 59.1,42.2 59.1,47.4 56.1,47.4 56.1,52.2 54.7,52.2 54.7,45.2
VCC on Bottom: 41.7,42.2 43.1,42.2 43.1,47.4 40.1,47.4 40.1,52.2 38.7,52.2 38.7,45.2
VCC on Bottom: 63.2,32.9 59.6,32.9 55.6,28.9 42,28.9 41.6,28.5 27.6,28.5 25.6,26.9 25.6,25.7 26.8,25.7 27.6,26.5 55.6,26.5 59.6,30.5 63.2,30.5
VCC on Bottom: 93.85,46.22 93.85,41.47 89.6,41.47 89.6,46.22

## Text on the board
B.Mask: TS5A / 23159 | 7333 | bss138 | 0u1 | 5k1 | ESP32 C3 / dev board | UPDI Serial / ESP  Writer | 7seg *8 / dev board | AVR_CLK | tinyAVR X04
B.Silkscreen: 100R | 4k7 | 10k | 0u1*2 | 10n | 1k | 74HC595 | R_LED / *8 | > 87654321 dGFEDCBA | SER / RC | ATtinyX02 | UPDI GND | TS5A / 23159 | DR_TNOW | CH340E | E | R | T | C_VCC | C_V3 | B | G V X Y | Y / RXD   TXD / SCL   SDA / X | > __43:21d _GFEDCBA
F.Mask: CL | RC | CH340K | ESP32-C3 / WROOM-02 | 0 | 1 | 2 | 3 | 4 | 5 | 6 | 7 | 8 | 9 | 10
F.Silkscreen: UPDI GND | CR_SER | R_LED | R_I2C / *2 | RC_RCLK | R_LED / *7 | VOUT | GND | RXD | TXD | G,E | U,B | JLCJLCJLCJLC | G / v / E / 4 / 5 / 6 / 7 / 8 / 9 | G / V / 0 / 1 / 2 / 3 / R / T / a | V  A4 A5 A6 A7 B3 B2 | B1 B0 U  A1 A2 A3 G
